# Allegro board LAY-93440_A.brd (continued)
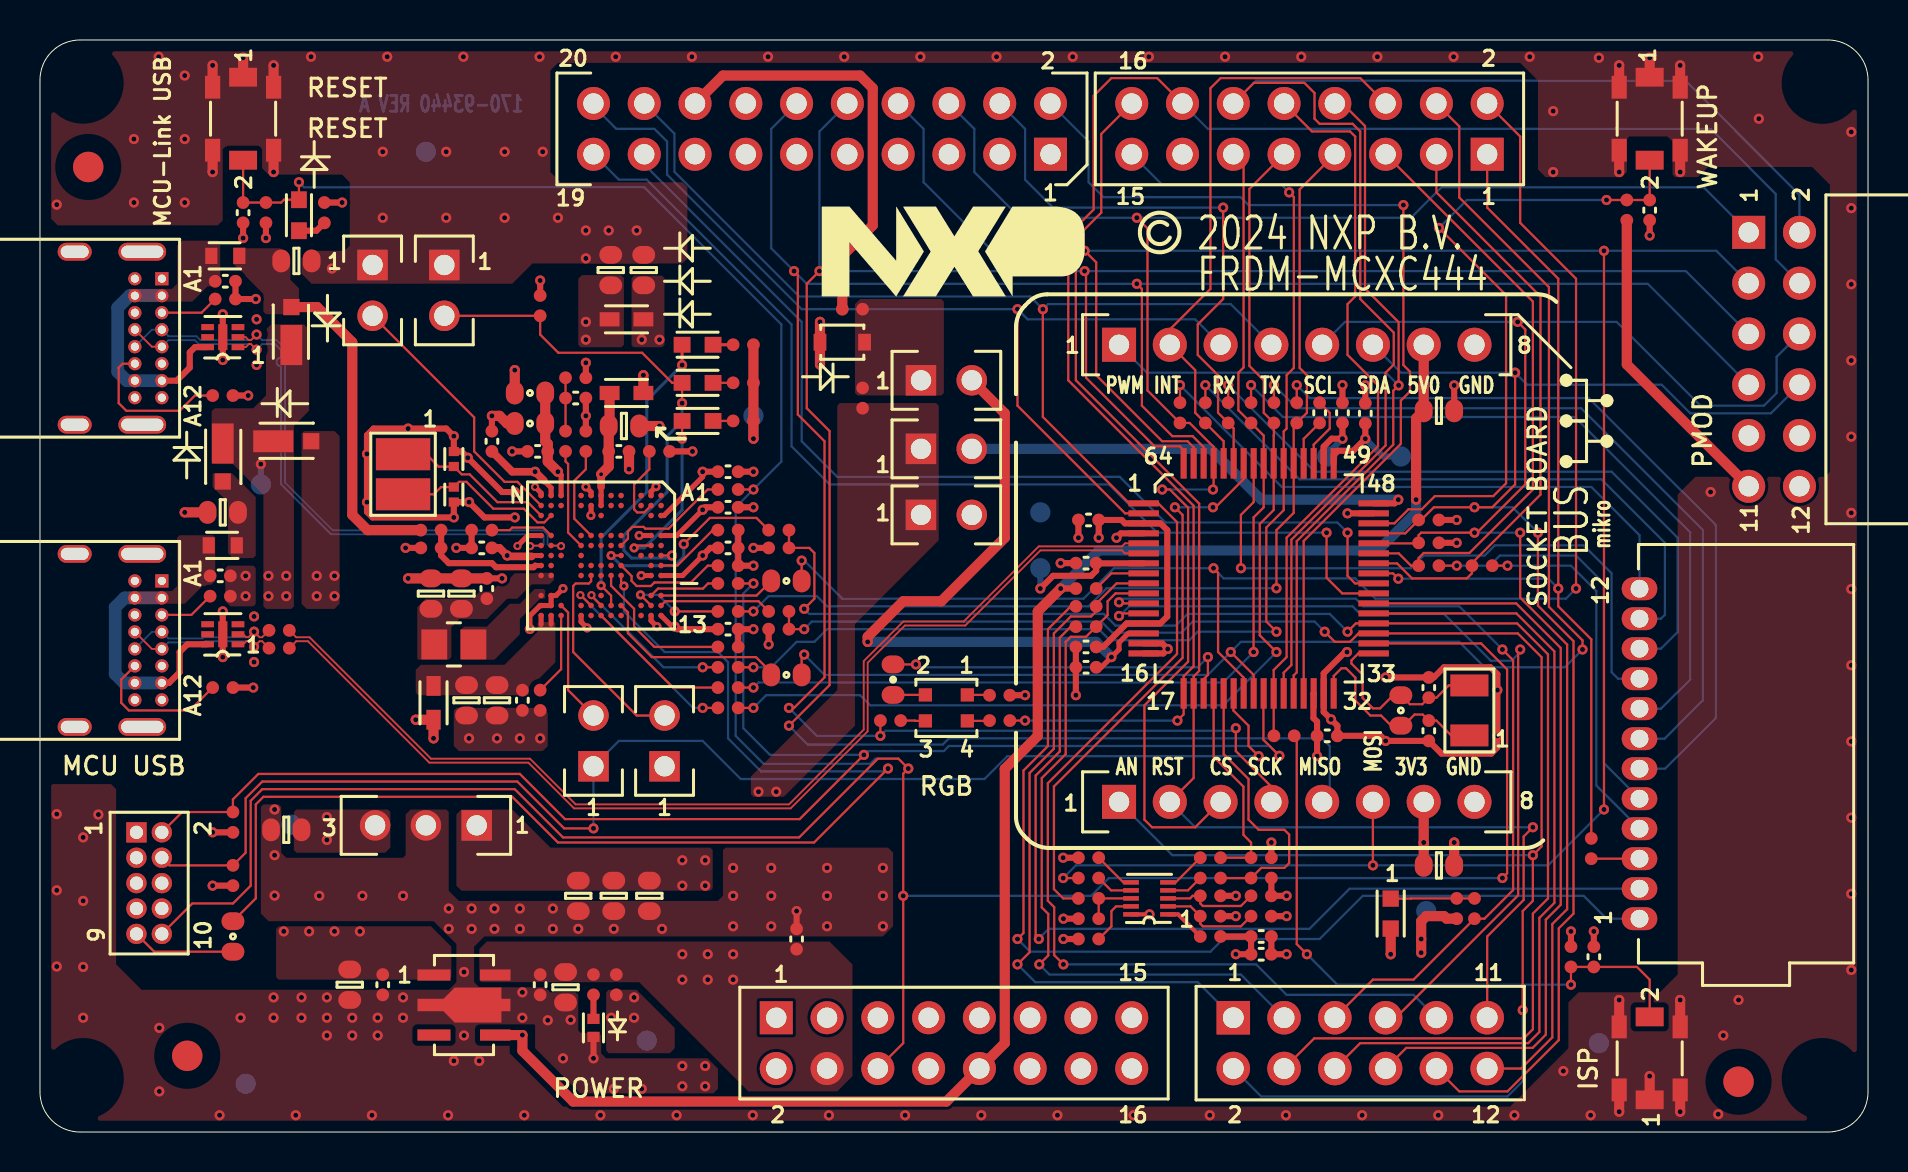
[diagram p0: board, top side]
## Routing (per net, layer and track width the routed paths; a pad name or vN(x,y) marks a point on that pad's centre or on a via; arc(x,y) is an arc through that point) (continued)
PTC7/SPI0_MISO_MCULINK: length 52.5
  TOP w0.112: v1(60.71,24) 60.71,30.73 61.21,31.24 U1.56 61.21,34.83 R13.1 59.94,36.09 59.94,37.97 60.21,38.23 60.21,48.38 59.69,48.9 ; R75.2 v1(35.69,22.23)
  BOTTOM w0.112: v1(35.69,22.23) 35.94,22.48 59.18,22.48 v1(60.71,24)
PTD1/ACCEL_INT: length 28.1
  TOP w0.112: v1(56.77,31.24) 57.15,30.86 57.15,23.71 50.72,17.28 50.72,12.15 51.18,11.68 R39.1 ; v1(58.67,31.24) 58.8,31.24 60.21,32.65 U1.58
  BOTTOM w0.112: v1(56.77,31.24) v1(58.67,31.24)
PTE24/ACCEL_SCL: length 10.5
  TOP w0.112: R37.2 R29.2 60.58,14.48 60.2,14.86 60.2,17.27 58.71,18.76 U1.20
PTE25/ACCEL_SDA: length 14.3
  TOP w0.112: R38.1 R34.2 61.09,13.21 62.25,13.21 62.48,13.45 62.48,14.87 62.25,15.11 60.96,15.11 60.45,15.62 60.45,17.65 59.21,18.9 U1.21
RESET_B: length 174.1
  TOP w0.112: J3.6 43.18,4.45 v1(43.18,11.81) 43.18,17.92 v1(43.43,18.18) 42.94,18.67 41.91,18.67 37.97,14.73 26.16,14.73 23.75,17.14 11.12,17.14 10.54,16.56 10.54,12.32 9.65,11.43 7.62,11.43 6.1,9.91 ; R69.2 v1(35.69,32.13) ; v1(73.15,12.7) 73.39,12.93 73.39,23.13 72.09,24.43 U1.34 ; v1(12.95,47.5) D1.C 12.2,46.62 12.07,46.48 R1.2 C5.1 SW1.2
  BOTTOM w0.112: v1(12.95,47.5) 13.21,47.24 30.23,47.24 37.08,40.39 37.08,33.53 v1(35.69,32.13) 34.8,31.24 34.8,19.81 36.2,18.41 41.53,18.41 41.78,18.67 42.94,18.67 v1(43.43,18.18) ; v1(73.15,12.7) 53.47,12.7 52.58,11.81 v1(43.18,11.81)
SWD_CLK_TGTMCU: length 67.9
  TOP w0.112: 6.1,13.72 6.48,13.33 R81.1 10.29,13.97 10.29,16.69 11.12,17.53 23.88,17.53 26.22,15.18 v1(27.69,15.18) ; U1.22 59.7,21.92 59.7,21.07 60.45,20.32 60.45,19.3 v1(60.96,18.8)
  BOTTOM w0.112: v1(27.69,15.18) JP5.1 28.96,19.56 33.15,19.56 35.05,17.65 47.24,17.65 48.39,18.8 v1(60.96,18.8)
SWD_DIO_TGTMCU: length 78.4
  TOP w0.112: J10.2 7.11,16 R80.2 9.65,16.64 10.92,17.91 24,17.91 26.26,15.65 38,15.65 v1(41.21,18.86) ; R68.2 v1(35.69,27.43) ; U1.25 61.2,21.92 61.2,19.61 v1(62,18.82)
  BOTTOM w0.112: v1(35.69,27.43) 35.18,26.92 35.18,20.19 36.51,18.86 v1(41.21,18.86) 41.4,19.05 45.21,19.05 45.47,19.3 61.51,19.3 v1(62,18.82)
USB0_DM: length 53.8
  TOP w0.089: R45.2 12.82,24.54 13.4,24.54 19.48,18.47 24.43,18.47 26.71,16.18 37.55,16.18 41.4,20.04 41.4,23.47 43.26,25.33 46.28,25.33 50.04,29.09 54.12,29.09 54.27,28.94 U1.6
USB0_DP: length 53.8
  TOP w0.089: U1.5 54.27,29.44 54.12,29.29 49.96,29.29 46.2,25.53 43.18,25.53 41.2,23.55 41.2,20.12 37.46,16.38 26.8,16.38 24.51,18.67 19.56,18.67 13.49,24.74 12.82,24.74 R47.2
VCAP1: length 2.3
  TOP w0.112: C11.1 63.21,34.66 U1.52
VCAP2: length 3.6
  TOP w0.112: U1.51 63.71,34.38 64.52,35.18 64.52,35.97 C11.2
VOUT33: length 6.9
  TOP w0.305: U1.7 52.84,28.44 C13.1 52.83,28.07 52.58,27.81 50.67,27.81 v1(50.04,27.18)
  BOTTOM w0.305: TP4.1 v1(50.04,27.18)
VREF_MCULINK: length 5.8
  TOP w0.254: 28.07,32.26 U5.G1 U5.G2
  TOP w0.381: 28.07,32.26 v3(28.07,32.89)
  TOP w0.508: v3(28.07,32.89) 28.45,33.27 C36.1 C37.1 28.49,35.35 L3.2
VREFH: length 33.5
  TOP w0.254: U1.14 54.43,24.93 53.98,24.48 53.98,24.13 v1(53.59,23.75) 53.09,23.24 C7.1
  TOP w0.508: v1(41.4,24.51) 41.4,24.77 43.18,26.54 45.09,26.54 48.26,29.72 48.26,35.94 JP6.2
  BOTTOM w0.508: v1(41.4,24.51) 52.83,24.51 v1(53.59,23.75)
XTAL_32KHZ: length 9.8
  TOP w0.112: Y1.2 70.46,22.33 69.85,21.72 C4.1 69.14,21.39 68.52,21.39 R3.1 67.69,21.84 67.03,21.19 66.68,21.19 66.16,21.7 66.16,22.87 65.6,23.43 65.6,23.59 65.94,23.93 U1.33
N60273: length 2.7
  TOP w0.112: U1.8 53.59,27.94 R6.2
N60813: length 3.9
  TOP w0.305: U1.50 64.21,34.27 64.61,34.67 v1(65.15,34.67) C8.1
  BOTTOM w0.305: v1(65.15,34.67) 64.39,33.91 TP1.1
N60817: length 5.2
  TOP w0.305: C9.1 v1(66.29,34.67) 65.69,34.07 64.93,34.07 64.71,33.85 U1.49
  BOTTOM w0.305: v1(66.29,34.67) 67.18,33.78 TP2.1
N60905: length 23.7
  TOP w0.305: U1.48 67.76,31.44 v1(67.95,31.62)
  BOTTOM w0.508: v1(67.95,31.62) 61.09,31.62 58.55,34.16 JP7.2
N73882: length 4.2
  TOP w0.112: Q1.1 68.58,11.67 68.59,11.68 R42.2 R82.2
N84836: length 2.7
  TOP w0.112: R49.2 C35.1 R50.1
N85250: length 1
  TOP w0.152: D8.A R51.2
N85474: length 1
  TOP w0.112: D9.A R52.2
N85680: length 1
  TOP w0.112: D10.A R53.2
N87448: length 6.5
  TOP w0.254: 24.77,28.33 U5.N8
  TOP w0.305: R54.2 R57.1 20.07,28.83 20.45,28.45 22.61,28.45 22.81,28.24 24.69,28.24 24.77,28.33
N1590729: length 11.5
  TOP w0.305: U6.6 7.75,39.25 7.49,38.99 7.49,38.23 6.84,37.57 6.1,37.57
  BOTTOM w0.635: 6.1,37.57 J13.B4 4.34,37.57 3.89,38.02 3.89,41.23 4.48,41.82 J13.B9 J13.A4
N1590769: length 3
  TOP w0.112: J13.A5 8.08,40.97 R55.1
N1590873: length 7.8
  TOP w0.112: J13.B5 4.13,38.42 3.94,38.23 3.94,36.45 4.32,36.07 6.98,36.07 7.75,36.83 R56.1
N16799454: length 5
  TOP w0.112: U2.2 57.55,11.28 R35.2 58.04,10.41 58.17,10.29 60.07,10.29 R30.1
N16799456: length 4.9
  TOP w0.112: R31.2 60.07,11.3 58.17,11.3 58.04,11.43 R36.1 57.66,11.81 57.53,11.68 U2.3
N16799458: length 2.6
  TOP w0.112: U2.8 R39.2 R32.2
N16799460: length 2.1
  TOP w0.112: R33.2 54.19,12.48 U2.6
N16799537: length 2.7
  TOP w0.112: R41.1 53.59,10.29 53.59,11.05 53.83,11.28 U2.9
N16808101: length 12.1
  TOP w0.305: 6.1,22.46 6.46,22.46 6.98,22.99 6.98,24 7.37,24.39 U4.6
  BOTTOM w0.635: J12.A4 J12.B9 4.23,26.71 3.76,26.24 3.76,22.91 4.21,22.46 J12.B4 6.1,22.46
N16808125: length 2.8
  TOP w0.112: J12.A5 7.57,25.86 R46.1
N16808144: length 8.6
  TOP w0.089: R47.1 11.11,24.74 10.98,24.74 10.71,25.02 v1(10.71,25.02) 10.43,24.75 10.31,24.75 10.16,24.89 U4.2
  BOTTOM w0.089: v1(10.71,25.02) 10.43,24.74 8.19,24.74 8.13,24.68 6.42,24.68 J12.A6 5.6,25.01 J12.B6
N16808148: length 8.6
  TOP w0.089: R45.1 11.11,24.54 10.98,24.54 10.71,24.27 v1(10.71,24.26) 10.42,24.55 10.32,24.55 10.17,24.39 U4.1 ; J12.B7 5.6,24.16 J12.A7
  BOTTOM w0.089: v1(10.71,24.26) 10.43,24.54 8.27,24.54 8.21,24.49 6.42,24.49 J12.A7
N16808212: length 7.3
  TOP w0.112: R48.1 7.49,21.08 4.45,21.08 4.06,21.46 4.06,22.63 J12.B5
N16808796: length 5.2
  TOP w0.112: J10.9 5.71,9.02 R24.2
N16855543: length 1.4
  TOP w0.305: D1.A 13.83,45.07 R2.2
N16873626: length 1.6
  TOP w0.112: R22.1 D3.2
N16873660: length 1.1
  TOP w0.112: R83.1 47.48,21.86 D3.1
N16873662: length 1.2
  TOP w0.112: R23.1 43.76,20.57 43.78,20.56 D3.3
N16873684: length 1.1
  TOP w0.112: D3.4 47.48,20.56 R25.1
N16877270: length 2.1
  TOP w0.112: U2.5 56.81,12.48 R37.1
N16877273: length 1.9
  TOP w0.112: R40.1 53.57,12.08 U2.7
N16877329: length 1.9
  TOP w0.112: R38.2 57.42,12.08 U2.4
N16894290: length 2.1
  TOP w0.203: R28.2 56.93,10.88 U2.1
N168033921: length 1.2
  TOP w0.305: D5.A R44.2

## Copper pours and planes (outline as drawn; the poured copper is in the pictures)
GND on TOP: 1.52,54.36 89.79,54.36 91.31,52.83 91.31,48.9 91.06,48.64 91.06,1.52 90.11,0.57 86.68,0.57 86.36,0.25 2.67,0.25 0.38,2.54 0.38,14.86 0.44,14.92 0.44,17.21 0.64,17.4 3.56,17.4 3.81,17.15 3.81,8.38 5.08,7.11 20.45,7.11 20.83,7.49 20.83,9.4 19.69,10.54 11.43,10.54 11.05,10.92 11.05,16.26 11.18,16.38 11.94,16.38 12.07,16.26 12.07,13.97 12.32,13.72 18.16,13.72 18.29,13.84 18.29,15.88 18.54,16.13 20.32,16.13 20.45,16 20.45,12.07 20.96,11.56 33.91,11.56 34.16,11.81 34.16,14.1 34.29,14.22 42.42,14.22 42.67,13.97 42.67,10.29 42.16,9.78 22.23,9.78 21.72,9.27 21.72,7.49 21.97,7.24 25.27,7.24 25.53,6.99 26.8,6.99 26.92,6.86 26.92,5.08 27.05,4.95 27.94,4.95 28.07,4.83 28.07,3.94 28.32,3.68 33.4,3.68 33.91,3.18 33.91,2.16 33.66,1.91 27.05,1.91 24.77,4.19 24.77,5.33 24.72,5.38 23.54,5.38 23.5,5.33 23.5,3.94 26.16,1.27 73.53,1.27 76.45,4.19 76.45,6.48 76.96,6.99 81.03,6.99 81.92,7.87 81.92,31.88 82.8,32.77 89.28,32.77 89.54,33.02 89.54,47.37 88.65,48.26 83.44,48.26 82.93,47.75 81.79,47.75 81.66,47.88 81.66,49.53 81.41,49.78 79.5,49.78 79.38,49.66 79.38,48.01 79.12,47.75 75.31,47.75 74.93,48.13 74.93,52.58 74.04,53.47 25.91,53.47 25.53,53.09 25.53,48.01 26.04,47.5 32.13,47.5 32.39,47.24 32.39,43.69 32.13,43.43 24.64,43.43 23.62,42.42 13.46,42.42 13.46,42.55 13.08,42.93 13.08,43.69 13.46,44.07 15.24,44.07 15.49,44.32 15.49,47.5 15.11,47.88 11.43,47.88 11.05,48.26 11.05,49.02 10.8,49.28 9.27,49.28 9.14,49.15 9.14,45.59 8.89,45.34 0.89,45.34 0.51,45.72 0.51,53.34
GND on TOP: 20.83,21.21 25.15,21.21 25.4,20.95 25.4,19.3 25.15,19.05 20.95,19.05 20.7,19.3 20.7,21.08
GND on TOP: 9.27,28.19 9.27,26.54 9.52,26.29 10.67,26.29 10.79,26.42 10.79,28.19 10.67,28.32 9.4,28.32
GND on TOP: 27.05,43.43 30.86,43.43 31.24,43.82 31.24,45.97 30.86,46.36 27.18,46.36 26.92,46.1 26.92,43.56
GND on BOTTOM: 1.52,54.23 25.02,54.23 25.08,54.17 90.11,54.17 91.06,53.21 91.06,50.67 90.93,50.67 90.93,49.91 91.06,49.91 91.19,49.78 91.19,1.78 89.54,0.13 2.03,0.13 0.51,1.65 0.51,16.26 0.57,16.32 0.57,18.73 0.89,19.05 6.48,19.05 6.73,19.3 6.73,44.58 6.35,44.96 0.76,44.96 0.38,45.34 0.38,53.09 ; 2 cut-outs
GND on L2_GND: 90.88,2 90.46,0.98 89.44,0.56 2,0.56 0.98,0.98 0.56,2 0.56,52.61 0.98,53.63 2,54.05 89.44,54.05 90.46,53.63 90.88,52.61
GND on L3_POWER: 2.79,53.98 88.52,53.98 90.81,51.69 90.81,2.29 89.28,0.76 89.15,0.76 89.15,0.63 88.9,0.38 70.87,0.38 70.74,0.51 2.79,0.51 0.51,2.79 0.51,51.69 ; 1 cut-out
P3V3 on TOP: 29.59,42.7 29.59,39.34 29.69,39.24 31.11,39.24 31.24,39.37 31.24,42.7 31.11,42.82 29.72,42.82
P3V3 on TOP: 21.97,7.49 29.97,7.49 35.43,2.03 39.88,2.03 40.64,2.79 40.64,8.38 39.5,9.52 22.35,9.52 21.97,9.14
P3V3 on BOTTOM: 84.46,32.77 84.46,11.56 83.19,10.29 72.14,10.29 70.87,11.56 69.09,11.56 68.83,11.3 68.83,8 69.09,7.75 86.87,7.75 89.03,9.91 89.03,32.64 88.39,33.27 84.96,33.27
P3V3 on L3_POWER: 18.8,1.65 70.61,1.65 71.12,2.16 71.12,30.73 70.36,31.5 38.61,31.5 36.07,34.04 36.07,40.01 29.34,46.74 12.7,46.74 10.79,44.83 10.79,42.93 16.13,37.59 24.26,37.59 26.8,35.05 26.8,22.61 25.4,21.21 18.67,21.21 18.03,20.57 18.03,2.41
P3V3_MCU on TOP: 44.96,36.32 44.96,29.59 40.77,25.4 40.77,20.32 37.21,16.76 35.69,16.76 35.56,16.89 35.56,17.78 39.88,22.1 39.88,36.32 40,36.45 44.83,36.45
P3V3_MCU on TOP: 28.45,7.11 29.84,7.11 31.75,5.21 31.75,4.19 31.5,3.94 28.45,3.94 28.32,4.06 28.32,6.98
P3V3_MCU on BOTTOM: 28.07,15.75 29.59,17.27 48.01,17.27 49.4,18.67 62.36,18.67 62.87,19.18 64.14,19.18 64.26,19.05 64.26,17.65 64.14,17.53 52.7,17.53 49.4,14.22 31.37,14.22 30.86,13.72 30.86,2.92 30.61,2.67 11.43,2.67 10.92,3.17 8,3.17 6.86,4.32 6.86,14.35 6.73,14.48 4.19,14.48 3.94,14.73 3.94,16.76 4.19,17.02 9.14,17.02 9.27,16.89 9.27,5.08 10.03,4.32 27.43,4.32 28.07,4.95
P3V3_MCU on BOTTOM: 43.18,32 52.7,32 53.21,31.5 53.21,29.59 52.7,29.08 43.18,29.08 42.93,29.34 42.93,31.75
P5V0 on TOP: 11.56,40.39 13.21,40.39 13.46,40.13 13.46,36.07 12.7,35.31 12.7,26.29 12.57,26.16 11.3,26.16 11.18,26.29 11.18,31.88 9.65,33.4 8.74,33.4 8.59,33.55 8.59,36.04 8.74,36.2 10.67,36.2 11.3,36.83 11.3,40.13
P5V0 on TOP: 11.94,10.29 19.56,10.29 20.57,9.27 20.57,7.75 20.45,7.62 11.94,7.62 11.81,7.75 11.81,10.16
P5V0 on BOTTOM: 11.18,9.14 11.43,8.89 22.73,8.89 23.24,8.38 23.24,4.7 23.37,4.57 24.64,4.57 24.77,4.7 24.77,12.32 24.38,12.7 13.59,12.7 13.34,12.95 13.34,28.07 13.21,28.19 11.3,28.19 11.18,28.07
P5V_HDR_IN on TOP: 12.7,16 12.7,14.1 12.83,13.97 17.27,13.97 17.53,14.22 17.53,16 17.4,16.13 12.83,16.13
P5V_HDR_IN on TOP: 13.21,35.05 14.73,35.05 14.99,34.8 14.99,26.42 14.73,26.16 13.34,26.16 13.08,26.42 13.08,34.93
P5V_HDR_IN on BOTTOM: 17.53,12.95 17.53,28.07 17.4,28.19 13.72,28.19 13.59,28.07 13.59,13.21 13.84,12.95
P5V_MCU_LINK_USB on TOP: 9.65,44.2 12.01,44.2 12.52,43.69 12.52,42.62 12.95,42.19 12.95,41.02 12.83,40.89 11.3,40.89 11.18,41.02 11.18,41.91 9.65,43.43
P5V_USB_FS on TOP: 8.69,32.94 9.6,32.94 10.79,31.75 10.79,28.83 10.67,28.7 9.65,28.7 9.4,28.96 9.4,31.5 8.64,32.26 8.64,32.89
VBAT_DCDC/VBAT_PMU on TOP: 18.92,21.84 24.51,21.84 24.64,21.97 24.64,22.35 25.78,23.49 25.78,25.45 25.73,25.5 24.94,25.5 24.89,25.45 24.89,25.02 23.24,23.37 19.05,23.37 18.8,23.11 18.8,21.97
MCU_LINK_3V3 on TOP: 29.21,42.7 29.06,42.85 27.1,42.85 26.92,42.67 26.92,39.37 27.05,39.24 29.08,39.24 29.21,39.37
MCU_LINK_3V3 on BOTTOM: 24.26,40.39 24.26,31.88 26.42,29.72 26.42,29.21 26.29,29.08 23.24,29.08 23.11,28.96 23.11,28.19 23.49,27.81 27.56,27.81 27.94,28.19 27.94,38.35 28.45,38.86 32.26,38.86 32.51,38.61 32.51,25.78 32.26,25.53 31.62,25.53 31.5,25.4 31.5,24.64 31.62,24.51 34.42,24.51 34.67,24.77 34.67,40.64 34.16,41.15 25.02,41.15
P5-9V_VIN on TOP: 33.53,14.22 25.53,14.22 23.62,16.13 21.08,16.13 20.83,15.88 20.83,12.32 21.08,12.06 33.53,12.06 33.66,12.19 33.66,14.1
P5-9V_VIN on BOTTOM: 31.5,2.16 32.13,1.52 55.5,1.52 55.75,1.78 55.75,6.48 55.12,7.11 46.61,7.11 39.88,13.84 31.75,13.84 31.5,13.59
VREFH_IN on TOP: 40.77,41.4 40.77,36.96 40.89,36.83 45.09,36.83 45.21,36.96 45.21,41.53 45.09,41.66 41.02,41.66
N85648 on TOP: 25.66,27.97 23.78,27.97 23.37,27.56 23.11,27.56 22.58,27.02 22,27.02 21.65,26.67 19.3,26.67 18.87,26.24 18.87,23.67 18.92,23.62 20.45,23.62 20.57,23.75 20.57,25.24 20.99,25.65 22.35,25.65 23.37,26.67 23.88,26.67 24.59,27.38 25.48,27.38 25.71,27.62 25.71,27.91
N85830 on TOP: 25.2,27.16 24.74,27.16 24,26.42 23.49,26.42 22.35,25.27 21.21,25.27 21.08,25.15 21.08,23.62 22.73,23.62 24,24.89 24,25.65 25.02,26.67 25.22,26.67 25.27,26.72 25.27,27.09
N1590729 on TOP: 4.45,41.53 7.62,41.53 8.38,42.29 8.92,42.29 9.02,42.39 9.02,44.45 8.89,44.58 7.11,44.58 6.86,44.32 6.86,42.42 6.6,42.16 4.45,42.16
N16808101 on TOP: 4.45,26.42 7.24,26.42 8.13,27.3 8.51,27.3 8.76,27.56 8.76,29.72 8.64,29.84 6.98,29.84 6.86,29.72 6.86,27.3 6.6,27.05 4.45,27.05

## Text on the board
BOTTOM: 170-93440 REV A | 07 | L4_SS
Board Geometry/Soldermask Bottom: 08 | SECONDARY SOLDERMASK
Ref Des/Silkscreen Bottom: PTE29 | PTB0 | PTB1 | PTB2 | PTB3 | PTC2 | PTC1 | P5V0 | GND | P3V3_MCU | P3V3 | 3V3 | PTA5 | PTA12 | PTD3 | PTE30 | PTE1 | PTD4 | PTD5 | PTE0 | PTD7 | PTD6 | 5V0 | PTB16 | PTB17 | NC | AREF | RST | PTD2 | PTA13 | VIN | PTC5 | PTC7 | PTE20 | PTA4 | PTC6 | PTE21 | PTE22 | PTC4 | PTE23 | PTC0 | PTA2 | PTB19 | PTA1 | PTB18 | 09 | SECONDARY SILKSCREEN
User.Comments: 1 OF 1 | TEST PROBE | 1/1 | 1
TOP: 04 | L1_PS
Board Geometry/Soldermask Top: 03 | PRIMARY SOLDERMASK
Ref Des/Silkscreen Top: PWM | AN | RST | INT | CS | RX | SCK | TX | MISO | SCL | SDA | 3V3 | 5V0 | GND | MOSI | mikro | POWER | SOCKET BOARD | 02 | PRIMARY SILKSCREEN | FRDM-MCXC444 | BUS
L2_GND: 05 | L2_GND
L3_POWER: 06 | L3_POWER
XSECTION_CHART: LAYERS | L1_PS | L4_SS | TRACE WIDTH | 4.40 | SE | IMPEDANCE | 50.00 | 3.50 | TRACE SPACING | 4.30 | DIFF | 90.00 | REFERENCE LAYER | 2 | 3 | SCALE: NONE | ALL VALUES ARE FINISHED VALUES | BOARD THICKNESS TOLERANCE +/-10% | 21. THIEVING REQUIREMENT: | C. COPPER THIEVING ADDITION IS NOT ALLOWED. | 19 | 16 | *  SURFACE - AIR 0 MIL | L1 TOP CONDUCTOR - COPPER 1.7 MIL | *  DIELECTRIC - FR-4 2.9 MIL | L2 GND PLANE - COPPER 1.2 MIL | *  DIELECTRIC - FR-4 51.2 MIL | L3 POWER PLANE - COPPER 1.2 MIL | L4 BOTTOM CONDUCTOR - COPPER 1.7 MIL | DETAIL | LAYER STACKUP | DESIGN CROSS SECTION CHART | ___________________________ | TOTAL THICKNESS 62.8 MIL | 1-4 | A
DIMENSION: PRIMARY DATUM | GRID ORIGIN
BODY_CENTER: 01 | PRIMARY PASTEMASK
DISPLAY_TOP: 10 | SECONDARY PASTEMASK
User.9: 9 | 1 | A | C | 2 | 10 | 16 | 15 | 8 | 11 | 12 | 3 | 4 | 6 | N | 19 | 20 | 13 | 32 | 17 | 33 | 48 | 49 | 64 | B1 | B12 | A12 | A1
User.11: OF 10
User.14: 22. THIS FAB_VIAFILL.ART SHOWS LOCATIONS OF VIA-IN-PAD TO BE FILLED. | 1/1 | 2
User.15: 24. | 1/1 | 3 | CAD DESIGNER: DELETE THIS FAB PAGE IF BACKDRILL IS NOT USED ON THIS DESIGN. | FAB SUPPLIER: DISREGARD THIS PAGE IF BACKDRILL REQUIRMENT IS NOT PROVIDED.
User.21: TOP TO LAYER X | BACK DRILL REFERENCE | BOTTOM TO LAYER X | LAYER X | MUST CUT LAYER | LAYER X+1 | MUST NOT CUT LAYER | LAYER X-1
User.22: FIGURE | FINISHED_SIZE | 8.0 | 10.0 | 16.0 | 26.0 | 35.0 | 40.0 | 41.0 | 125.0 | 55.0x24.0 | 83.0x24.0 | DRILL CHART: TOP to BOTTOM | ALL UNITS ARE IN MILS | TOLERANCE_DRILL | +0.0/-8.0 | +0.0/-10.0 | +2.0/-2.0 | +3.0/-3.0 | PLATED | NON-PLATED | QTY | 6 | 14 | 416 | 32 | 10 | 12 | 97 | 4 | 611 | TOTAL HOLES:
